# KiCad board PCB0150.kicad_pcb (continued)
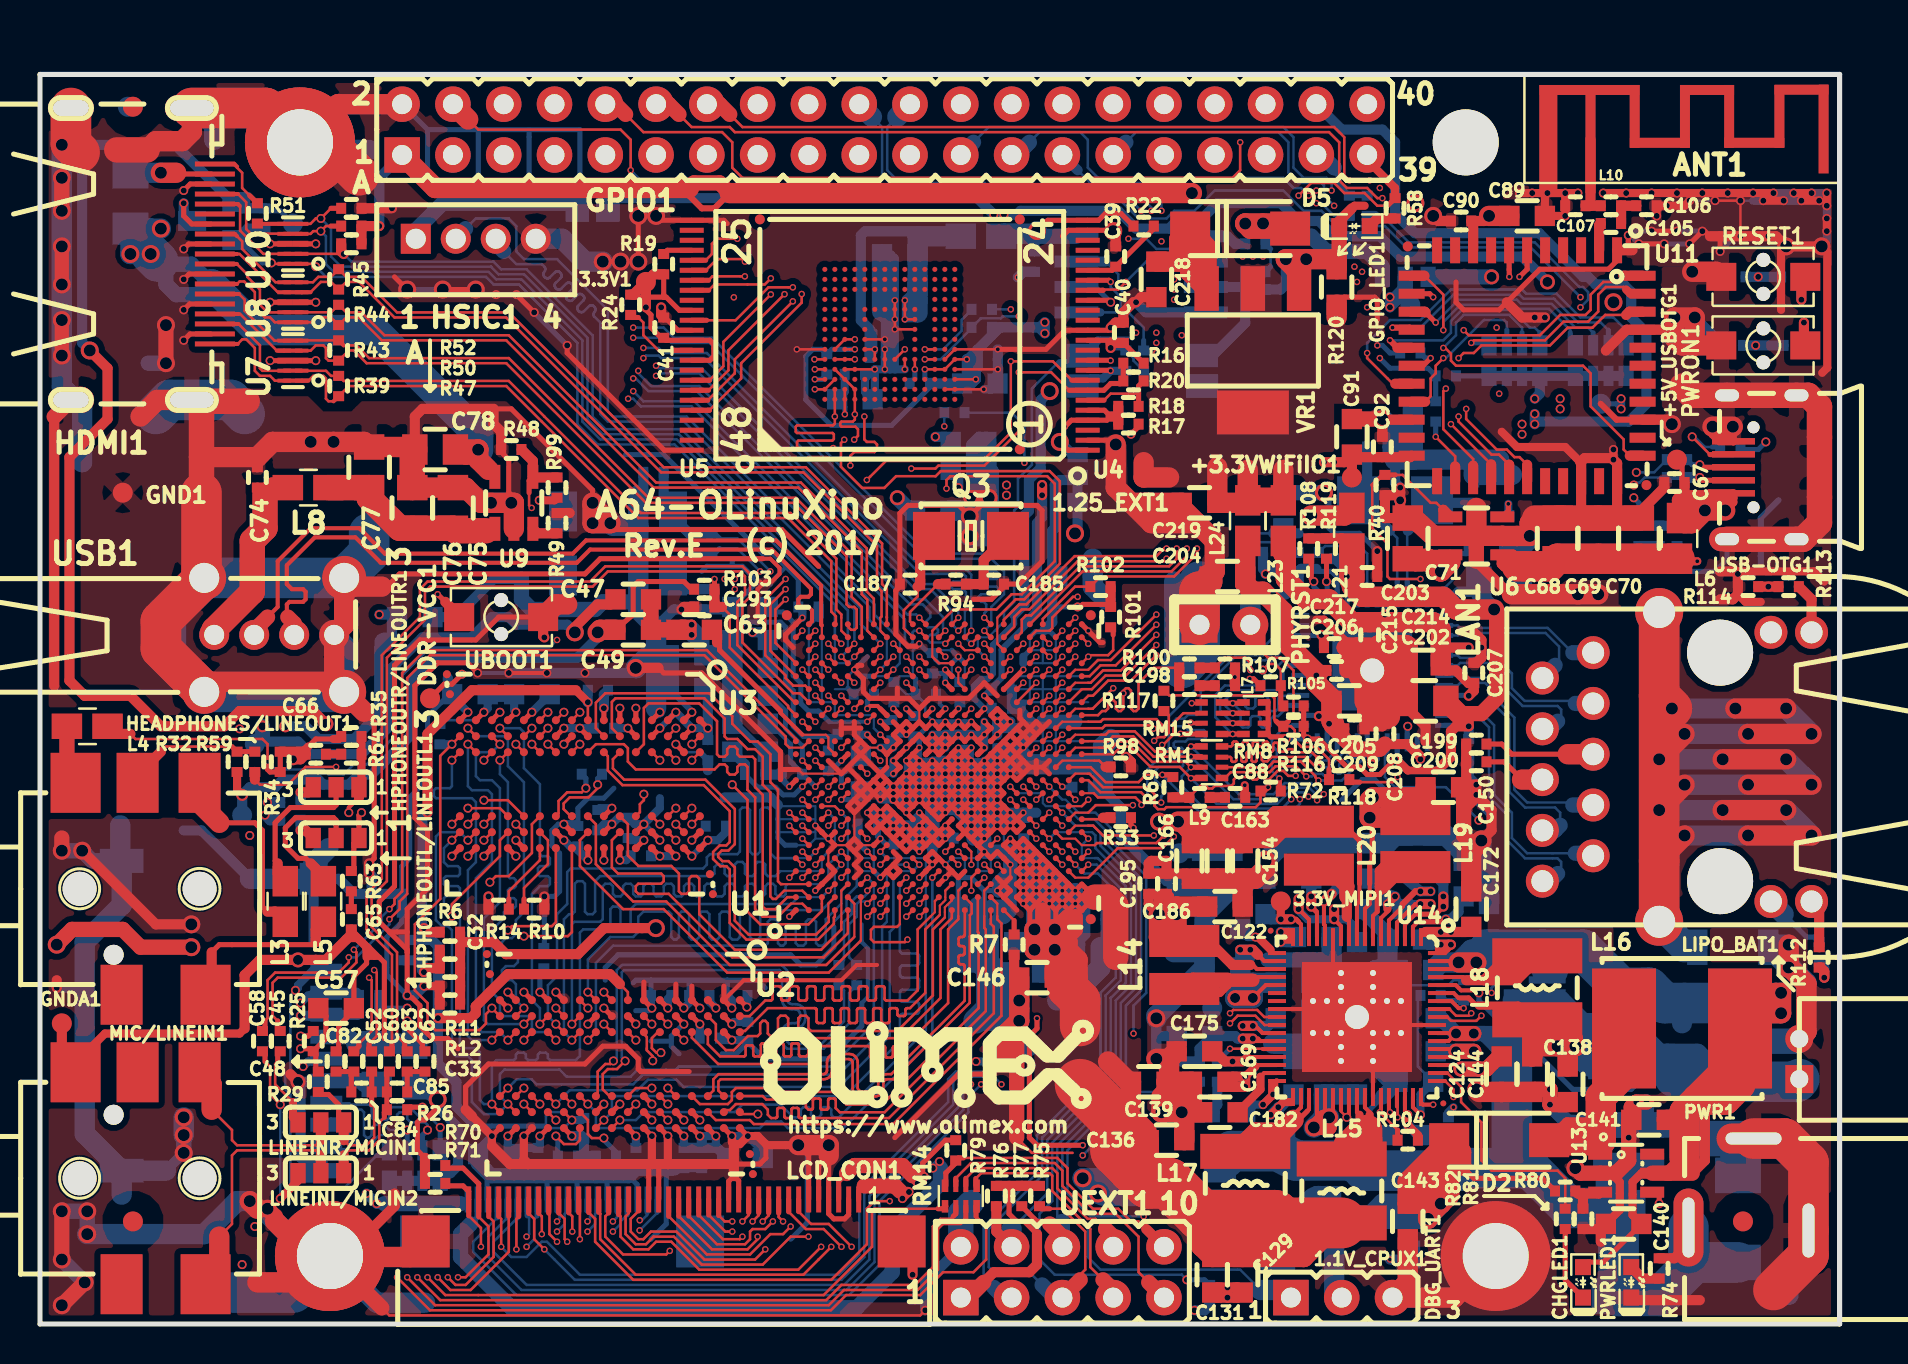
[diagram p0: board, top side]
## Routing (per net, layer and track width the routed paths; a pad name or vN(x,y) marks a point on that pad's centre or on a via; arc(x,y) is an arc through that point) (continued)
  Bottom w0.762: LAN1.7 76.66,25.96
/USB&HDMI,WiFi&BT,Ethernet,LCD/MDI[2]-: length 12.6
  Bottom w0.127: 76.02,24.94 76.02,25.58 75.77,25.83 74.27,25.83 73.48,26.62 73.48,30.22 72.47,31.24 72.47,31.88 72.28,32.06 71.02,32.06 70.9,31.94 U15.8
  Bottom w0.762: 76.02,24.94 75.77,24.69 LAN1.8
/USB&HDMI,WiFi&BT,Ethernet,LCD/MDI[3]+: length 13.3
  Bottom w0.127: U15.10 70.9,30.94 71.02,30.82 71.85,30.82 72.72,29.95 72.72,26.47 73.61,25.58 73.61,24.31 74.37,23.55 76.78,23.55
  Bottom w0.762: 76.78,23.55 77.55,23.55 LAN1.9
/USB&HDMI,WiFi&BT,Ethernet,LCD/MDI[3]-: length 13.3
  Bottom w0.127: 75.9,22.53 76.07,22.71 76.07,23.11 75.9,23.29 74.27,23.29 73.35,24.21 73.35,25.48 72.47,26.37 72.47,29.84 71.75,30.56 71.02,30.56 70.9,30.44 U15.11
  Bottom w0.762: 75.9,22.53 75.51,22.15 LAN1.10
/USB&HDMI,WiFi&BT,Ethernet,LCD/PH7/CTP-INT: length 50.3
  Top w0.127: U1.AC5 v4(52.43,23.62) ; 22.94,5.38 23.06,5.26 v4(23.06,3.86)
  Top w0.254: LCD_CON1.37 22.94,5.38
  In2.Cu w0.107: U1.AC5 52.1,22.61
  In2.Cu w0.127: v4(52.43,23.62) U1.AC5 ; v4(48.08,11.99) 48.21,11.99 49.86,13.64 50.5,13.64 51.26,14.4 51.26,16.69 52.53,17.96 52.53,22.18 52.1,22.61
  Bottom w0.127: v4(23.06,3.86) 23.57,3.35 24.33,3.35 25.09,4.11 25.35,4.11 27,2.46 39.95,2.46 40.97,3.48 40.97,6.65 45.41,11.1 45.41,12.24 45.8,12.62 47.45,12.62 v4(48.08,11.99)
/USB&HDMI,WiFi&BT,Ethernet,LCD/PH8/CTP-RST: length 62.6
  Top w0.127: v4(20.4,2.34) 20.78,1.96 21.28,1.96 22.68,3.35 22.68,5.13 22.44,5.37 ; U1.Y10 v4(49.82,26.22)
  Top w0.254: 22.44,5.37 LCD_CON1.38
  In2.Cu w0.107: 50.15,27.2 U1.Y10
  In2.Cu w0.127: 50.15,27.2 50.43,27.48 51.64,27.48 52.02,27.1 52.91,27.1 53.42,26.59 53.42,26.34 54.31,25.45 54.31,17.07 53.03,15.8 53.03,13.51 51.38,11.86 50.75,11.86 48.97,10.08 44.02,10.08 40.72,6.78 33.35,6.78 29.29,2.72 20.78,2.72 v4(20.4,2.34) ; v4(49.82,26.22) U1.Y10
/USB&HDMI,WiFi&BT,Ethernet,LCD/PHYAD0: length 2.4
  Top w0.508: 88.59,21.13 88.98,20.75 R112.1
/USB&HDMI,WiFi&BT,Ethernet,LCD/PHYAD1: length 2.5
  Top w0.508: R113.1 88.59,36.25 LAN1.12
/USB&HDMI,WiFi&BT,Ethernet,LCD/USB0-ID: length 58.3
  Top w0.127: v4(51.12,24.92) U1.AA8 ; v3(82.63,44.37) 83.51,43.48
  Top w0.254: 83.51,43.48 84.68,43.48 USB-OTG1.4
  In2.Cu w0.127: v3(82.63,44.37) 82.63,47.44 80.24,49.84 v4(72.85,49.84)
  In3.Cu w0.127: v4(51.12,24.92) 53.02,24.92 54.97,26.88 55.58,26.88 55.81,26.65 56.51,26.65 56.89,26.27 58.08,26.27 62.38,30.57 62.38,34.93 63.19,35.74 63.19,37.39 63.45,37.64 64.21,37.64 64.85,38.28 64.85,39.42 65.99,40.56 65.99,41.58 67.51,43.1 70.43,43.1 72.59,45.26 72.59,46.79 72.85,47.04 v4(72.85,49.84)
  Bottom w0.127: v3(82.63,44.37) 82.75,44.37 83.26,43.87 83.64,43.87
  Bottom w0.254: 83.64,43.87 83.9,43.87 R37.1
/USB&HDMI,WiFi&BT,Ethernet,LCD/USB0-VBUSDET: length 55.3
  Top w0.107: 51.78,22.33 52.43,22.33
  Top w0.127: v4(56.7,24.38) 56.12,23.8 53.9,23.8 52.43,22.33 ; U1.AB4 51.78,22.33
  In2.Cu w0.127: v4(72.97,46.53) 73.86,47.42 75.51,47.42 76.53,46.41 76.53,45.52 76.02,45.01 76.02,42.98 76.28,42.72 79.07,42.72 79.58,43.23 80.09,43.23 80.34,42.98 80.34,41.96 v3(79.71,41.33)
  In3.Cu w0.127: v4(72.97,46.53) 72.97,45.26 70.56,42.85 67.64,42.85 66.24,41.45 66.24,40.44 65.1,39.29 65.1,38.15 64.85,37.9 64.85,36.56 63.17,34.89 63.17,33.03 62.89,32.74 62.89,30.42 59.65,27.18 59.65,26.73 57.3,24.38 v4(56.7,24.38)
  Bottom w0.254: v3(79.71,41.33) 79.96,41.07 C72.2 79.93,39.93
  Bottom w0.508: C72.2 R42.2 R38.1
/USB&HDMI,WiFi&BT,Ethernet,LCD/USB1-DM: length 36.4
  Top w0.107: 39.1,34.94 U1.C22
  Top w0.203: 11.38,35.36 11.89,35.86 11.89,38.15 13.54,39.8 15.98,39.8 17.25,38.53 26.64,38.53 27.3,39.19 36.8,39.19 39.06,36.93 39.06,34.98 39.1,34.94
  Top w0.762: 11.38,35.36 10.71,34.69 USB1.2
/USB&HDMI,WiFi&BT,Ethernet,LCD/USB1-DP: length 36.4
  Top w0.203: 12.39,35.36 12.34,35.41 12.34,35.99 12.47,36.12 13.16,36.12 13.28,36.25 13.28,36.63 13.16,36.75 12.6,36.75 12.34,37.01 12.34,37.95 13.74,39.34 15.77,39.34 17.04,38.07 26.85,38.07 27.51,38.74 36.6,38.74 38.56,36.78 38.56,36.5 38.43,36.37 38.05,36.37 37.92,36.25 37.92,35.99 38.05,35.86 38.43,35.86 38.61,35.69 38.61,35.15 38.45,35 U1.B23
  Top w0.762: 12.39,35.36 12.71,35.04 USB1.3
/USB&HDMI,WiFi&BT,Ethernet,LCD/WL-PMU-EN: length 58.4
  Top w0.127: v4(70.18,49.71) 70.18,51.49 69.24,52.43 ; v4(37.29,36.75) 36.53,35.99 36.53,33.67 U1.A19
  Top w0.508: U11.12 69.24,52.43
  In2.Cu w0.127: v4(70.18,49.71) 69.04,49.71 67.26,47.93 55.32,47.93 54.43,47.04 51.64,47.04 51.16,47.52 49.97,47.52 48.55,46.1 43.42,46.1 40.83,43.51 40.17,43.51 38.9,42.24 38.9,38.37 v4(37.29,36.75)
  Bottom w0.127: v4(70.18,49.71) 70.18,50.11 71.04,50.98 73.74,50.98 73.94,50.77 75.46,50.77 76.53,49.71 76.53,49.58
  Bottom w0.254: 76.53,49.58 76.53,49.2 RM9.4.2
/USB&HDMI,WiFi&BT,Ethernet,LCD/WL-SDIO-CLK: length 30.8
  Top w0.127: U1.V21 v4(49.18,34.03)
  In2.Cu w0.127: v4(66.88,48.95) 58.12,48.95 57.99,48.82 56.08,48.82 v4(55.83,49.07)
  In3.Cu w0.127: v4(49.18,34.03) 49.18,37.21 50.11,38.15 50.11,40.44 50.88,41.2 50.88,42.6 51.9,43.62 51.9,44.63 55.47,48.2 55.47,48.71 v4(55.83,49.07)
  Bottom w0.254: v4(66.88,48.95) 67.13,48.95 67.51,48.56 R54.2
/USB&HDMI,WiFi&BT,Ethernet,LCD/WL-SDIO-CMD: length 42.9
  Top w0.127: v4(48.53,33.38) U1.U20
  Top w0.305: 67.88,48.83 v4(67.51,49.2)
  Top w0.508: U11.16 67.88,48.83
  In2.Cu w0.127: v4(67.51,49.2) 67.26,49.45 57.73,49.45 57.61,49.33 57.61,49.2 57.48,49.07 56.72,49.07 56.59,49.2 56.59,49.45 56.46,49.58 v4(55.83,49.58)
  In3.Cu w0.127: v4(55.83,49.58) 55.23,48.99 55.23,48.35 51.64,44.76 51.64,43.74 50.62,42.72 50.62,41.33 49.86,40.56 49.86,38.28 48.84,37.26 48.84,34.34 48.53,34.02 v4(48.53,33.38)
  Bottom w0.127: 75.01,49.58 74.75,49.84 74.5,49.84 73.61,50.72 71.12,50.72 70.56,50.17 70.56,49.58 70.18,49.2 v4(67.51,49.2)
  Bottom w0.254: RM12.1.2 75.01,49.58
/USB&HDMI,WiFi&BT,Ethernet,LCD/WL-SDIO-D0: length 49
  Top w0.127: 67.78,47.03 67.65,47.03 66.37,48.31 v4(66.37,48.56) ; U1.U19 v4(48.53,32.72)
  Top w0.508: U11.18 67.78,47.03
  In2.Cu w0.127: v4(66.37,48.56) v4(55.83,48.56)
  In3.Cu w0.107: 49.5,33.7 49.5,34.21
  In3.Cu w0.127: v4(55.83,48.56) 55.83,48.18 52.15,44.51 52.15,43.49 51.13,42.47 51.13,41.07 50.37,40.31 50.37,38.02 49.5,37.16 49.5,34.21 ; v4(48.53,32.72) 49.5,33.7
  Bottom w0.127: v4(66.37,48.56) 66.37,49.07 67.51,50.22 69.04,50.22 70.56,51.74 74.12,51.74 74.32,51.54 75.84,51.54 77.04,50.34 78.69,50.34 79.32,49.71
  Bottom w0.254: RM9.1.2 79.32,49.71
/USB&HDMI,WiFi&BT,Ethernet,LCD/WL-SDIO-D1: length 38.1
  Top w0.127: v4(56.84,38.79) 56.84,38.28 56.46,37.9 52.02,37.9 49.56,35.44 49.31,35.44 49.1,35.23 49.1,34.6 U1.V22 ; v4(70.18,48.31) 69.8,47.93 69.8,47.55 69.54,47.3 69.54,46.41 69.27,46.13
  Top w0.508: U11.19 69.27,46.13
  In3.Cu w0.127: v4(70.18,48.31) 69.67,47.8 65.35,47.8 58.5,40.95 58.5,38.53 58.12,38.15 57.48,38.15 v4(56.84,38.79)
  Bottom w0.127: v4(70.18,48.31) 70.31,48.31 72.21,50.22 73.23,50.22 73.35,50.09 73.35,49.71
  Bottom w0.254: RM12.3.2 73.35,49.71
/USB&HDMI,WiFi&BT,Ethernet,LCD/WL-SDIO-D2: length 43.6
  Top w0.127: U1.Y21 v4(50.47,33.38)
  Top w0.254: 69.29,50.6 v4(69.8,50.09)
  Top w0.508: 69.29,50.6 69.26,50.63 U11.14
  In2.Cu w0.127: v4(69.8,50.09) 69.64,50.25 67.51,50.25 66.97,49.71 57.35,49.71 v4(57.1,49.45)
  In3.Cu w0.107: 50.8,33.7 50.8,34.67 50.62,34.85
  In3.Cu w0.127: 50.62,34.85 50.62,36.75 51.38,37.52 51.38,38.02 52.4,39.04 52.4,41.2 56.97,45.77 56.97,49.33 v4(57.1,49.45) ; v4(50.47,33.38) 50.8,33.7
  Bottom w0.127: v4(69.8,50.09) 70.94,51.23 73.86,51.23 74.07,51.03 75.59,51.03 76.78,49.84 77.42,49.84 77.67,49.58
  Bottom w0.254: RM9.3.2 77.67,49.58
/USB&HDMI,WiFi&BT,Ethernet,LCD/WL-SDIO-D3: length 45.5
  Top w0.127: v4(57.35,38.79) 57.35,38.41 56.59,37.64 52.14,37.64 U1.W23
  Top w0.305: v4(67.64,49.84) 68.49,49.84 U11.15
  In3.Cu w0.127: v4(67.64,49.84) 68.91,49.84 69.04,49.96 69.04,51.23 68.91,51.36 68.28,51.36 68.15,51.23 68.15,50.47 68.02,50.34 67.51,50.34 58.24,41.07 58.24,38.66 57.99,38.41 57.73,38.41 v4(57.35,38.79)
  Bottom w0.127: v4(67.64,49.84) 69.04,49.84 70.69,51.49 73.99,51.49 74.19,51.28 75.72,51.28 76.91,50.09 78.05,50.09 78.44,49.71
  Bottom w0.254: RM9.2.2 78.44,49.71
/USB&HDMI,WiFi&BT,Ethernet,LCD/WL-WAKE-AP: length 70.4
  Top w0.127: U1.E19 v4(40.72,32.08)
  Top w0.254: U11.13 69.5,51.53 v4(69.67,51.36)
  In2.Cu w0.127: v4(69.67,51.36) 69.67,52.25 69.16,52.76 67.77,52.76 66.12,51.1 56.84,51.1 v4(56.72,51.23)
  In3.Cu w0.127: v4(40.72,32.08) 40.96,32.08 41.38,32.49 41.38,34.47 41.1,34.75 41.1,39.98 35.13,45.95 35.13,49.25 34.37,50.01 34.37,55.04 34.62,55.3 46.91,55.3 47.67,56.06 56.34,56.06 56.46,55.93 56.46,53.9 56.08,53.52 56.08,52.78 56.08,51.99 56.34,51.74 56.34,51.61 v4(56.72,51.23)
/VREF0_DDR3: length 60.1
  Top w0.127: 29,17 29.4,16.6 U2.H1 ; U2.M8 v3(26.6,10.2) ; U3.M8 v3(23.8,25) ; U3.H1 v3(27.4,31.1)
  Top w0.406: v3(27.4,31.1) 26.8,31.7
  Top w0.508: v3(19.9,15.3) 21.55,15.3 21.79,15.55 21.79,15.89 23.4,17.5 28.5,17.5 29,17 ; v3(19.2,19.8) 19.4,19.6 R6.1 ; 26.8,31.7 21.6,31.7 19.38,29.52 v3(19.38,25.58)
  In3.Cu w0.508: v3(23.8,25) 23.8,25.73 22.56,26.97 20.78,26.97 v3(19.38,25.58)
  Bottom w0.127: U2.M8 25.5,10.6 25.3,10.4 25.3,9.9 25.4,9.8 26.2,9.8 v3(26.6,10.2) U2.M8
  Bottom w0.254: 25.3,9.9 21.8,9.9
  Bottom w0.406: v3(26.6,10.2) 27.09,10.2 C24.1
  Bottom w0.508: 21.8,9.9 20.83,10.87 20.83,12.1 19.9,13.03 v3(19.9,15.3) 19.9,18.9 19.59,19.21 C11.2 ; C25.1 27.39,31.11 v3(27.4,31.1) ; v3(19.38,25.58) 19.13,25.32 19.13,22.02 19.11,22 C23.1 R8.2 19.11,19.89 v3(19.2,19.8) 19.1,19.7 C11.2 ; C11.2 R5.1
AP-CK32KO: length 48.5
  Top w0.127: U1.B18 38.27,31.93 37.67,31.93 37.29,32.31 37.29,32.44 36.27,33.45 36.27,36.25 v4(37.29,37.26)
  In2.Cu w0.127: v4(67,48.31) 66.77,48.31 66.65,48.18 55.07,48.18 54.18,47.3 51.76,47.3 51.31,47.75 49.85,47.75 48.45,46.35 43.34,46.35 40.73,43.74 40.07,43.74 38.47,42.14 38.47,38.45 v4(37.29,37.26)
  Bottom w0.254: R60.2 69.8,47.42 69.42,47.8 67.51,47.8 v4(67,48.31)
AP-NMI#: length 177
  Top w0.127: 70.48,15.75 70.81,15.42 71.45,15.42 v4(71.58,15.55) ; U1.G18 v4(42.03,32.08)
  Top w0.203: U14.61 70.48,15.75
  In2.Cu w0.127: v3(10.74,4.88) 10.52,5.1 7.85,5.1 2.62,10.34 2.62,18.85 4.01,20.24 4.01,24.31 1.98,26.34 1.98,41.45 4.39,43.87 12.14,43.87 13.16,44.88 15.06,44.88 17.73,47.55 24.21,47.55 28.01,51.35 v4(34.7,51.35)
  In3.Cu w0.107: 41.7,32.4 41.7,34.35
  In3.Cu w0.127: v4(42.03,32.08) 41.7,32.4 ; v3(10.74,4.88) 11.25,4.37 11.25,3.23 13.28,1.19 41.73,1.19 45.54,5 55.57,5 57.23,6.66 65.99,6.66 68.02,8.69 68.53,8.69 v4(70.69,10.85) 70.18,11.35 70.18,14.78 70.69,15.29 71.32,15.29 v4(71.58,15.55) ; v4(34.7,51.35) 34.68,51.33 34.68,50.03 35.38,49.33 35.38,46.02 41.48,39.93 41.48,34.82 41.7,34.59 41.7,34.35
  Bottom w0.406: v4(70.69,10.85) 70.43,10.59 R85.1
AP-RESET#: length 162.9
  Top w0.127: 65.99,27.1 67.64,27.1 v4(67.89,27.36) ; v4(29.54,57.71) 29.54,59.23 29.03,59.74 21.92,59.74 21.41,60.25 ; v4(67,10.59) 67.89,9.7 ; U1.E17 v4(40.07,31.42)
  Top w0.203: v4(67,10.59) 67.06,10.65 U14.46
  Top w0.254: 65.99,27.1 65.61,27.1 65.48,27.23 ; R104.2 67.89,9.7
  Top w1.016: GPIO1.4 21.41,60.25
  In2.Cu w0.127: v3(85.93,52.38) 85.42,51.87 81.86,51.87 80.34,50.34 78.05,50.34 v4(77.04,51.36)
  In3.Cu w0.107: 39.75,31.75 38.48,31.75
  In3.Cu w0.127: v4(40.07,31.42) 39.75,31.75 ; v4(67,10.59) 67.39,10.97 67.89,10.97 68.15,11.23 69.29,11.23 69.93,11.86 69.93,17.45 66.62,20.75 66.62,21.51 67.64,22.53 67.64,26.72 67.89,26.97 v4(67.89,27.36) 67.51,27.36 67.08,27.79 67.08,28.37 66.88,28.58 66.88,30.78 67.77,31.67 67.77,38.02 70.18,40.44 71.07,40.44 73.1,42.47 73.74,42.47 76.53,45.26 76.53,48.18 76.66,48.31 76.66,50.98 v4(77.04,51.36) ; 38.48,31.75 37.72,31.75 36.4,33.07 36.4,35.1 35.64,35.86 35.64,37.39 35.38,37.64 35.38,42.72 32.84,45.26 32.84,48.18 32.08,48.95 32.08,56.06 30.81,57.33 29.92,57.33 v4(29.54,57.71)
  Bottom w0.127: v4(77.04,51.36) 74.55,53.85 68.33,53.85 67.26,54.91 64.85,54.91 64.08,55.68 63.19,55.68 62.18,56.69 58.75,56.69 57.73,55.68 56.72,55.68 56.34,55.3 54.94,55.3 53.92,56.31 47.68,56.31 47.17,56.82 30.43,56.82 v4(29.54,57.71)
  Bottom w0.508: R89.2 v3(85.93,52.38) C156.2
IPS: length 140.7
  Top w0.203: 67.39,20.75 67.39,20.62 67.06,20.3 U14.6 ; v3(62.94,20.75) 63.46,20.23 U14.15 ; v3(64.72,20.24) 65.06,19.9 U14.11 ; 60.78,12.88 60.86,12.95 U14.32 ; v1(60.66,16.31) 61.3,16.95 U14.22 ; v2(63.7,9.83) 63.86,9.99 U14.38 ; 60.91,18.47 61.22,18.15 U14.19 ; v3(69.04,21.01) 68.78,21.01 67.86,20.08 U14.4 ; U14.40 64.66,10.53 v2(64.47,10.34) 64.26,10.54 U14.39 ; U14.66 70.61,17.75 v2(70.94,18.08) 70.87,18.15 U14.67 ; U14.55 70.53,13.35 v1(70.81,13.64) 70.7,13.75 U14.56
  Top w0.254: CHGLED1.2 77.42,3.1 78.18,3.1 C140.2
  Top w0.406: 60.78,12.88 v3(60.27,12.37) ; C140.2 79.64,5.45 79.64,7.1 80.09,7.54 U13.5 ; v3(67.77,21.39) v3(67.39,21.01) 67.39,20.75
  Top w0.508: 60.91,18.47 60.66,18.72 v3(60.53,18.72) v3(60.02,18.72) ; 82.63,7.54 83.26,8.18 83.26,11.23 ; v3(69.04,21.01) v3(69.54,21.01) ; v3(62.94,20.75) v3(62.94,21.26) ; v3(64.72,20.24) v3(64.72,20.75) ; 59.64,11.86 v3(60.27,11.86) v3(60.27,12.37) 59.64,12.37 59.38,12.12 59.64,11.86
  Top w0.762: 81.48,7.54 82.25,8.31 ; 81.48,7.54 82.63,7.54 ; 81.48,7.54 U13.5 ; v1(60.66,16.31) v1(59.77,16.31) ; v1(70.81,13.64) v1(71.7,13.64) ; 64.21,10.34 v2(64.47,10.34) 64.47,9.83 v2(63.7,9.83) 64.21,10.34
  Top w1.016: 82.25,10.34 82.12,10.21 C141.2 ; v2(70.94,18.08) v2(71.83,18.08) ; 85.78,15.55 v2(87.07,15.55) v2(87.07,16.56) 86.8,16.56 L16.1 85.78,15.55
  Top w1.524: 82.88,11.23 82.25,10.59 82.25,8.31 ; 82.88,11.23 85.02,13.36 L16.1 85.02,11.97 84.28,11.23 82.88,11.23
  In4.Cu w0.406: 63.6,20 62.94,20.66 v3(62.94,20.75)
  In4.Cu w0.508: 62.31,12.88 60.78,12.88 v3(60.27,12.37) v3(60.27,11.86) ; 62.31,18.21 61.04,18.21 v3(60.53,18.72) v3(60.02,18.72) ; 67.39,19.99 v3(67.39,21.01) v3(67.77,21.39) ; 69.04,19.99 v3(69.04,21.01) v3(69.54,21.01) ; v3(64.72,20.75) v3(64.72,20.24) 64.72,19.36 ; v3(62.94,20.75) v3(62.94,21.26)
  In4.Cu w0.762: v1(59.77,16.31) v1(60.66,16.31) 62.31,16.31 ; v1(71.7,13.64) v1(70.81,13.64) 69.04,13.64
  In4.Cu w1.016: v2(63.7,9.83) 63.96,9.83 v2(64.47,10.34) 64.47,11.86 ; v2(71.83,18.08) v2(70.94,18.08) 70.37,17.51
  In4.Cu w2.032: 70.37,17.51 69.74,16.88
  Bottom w0.254: 82.25,16.05 82.25,15.8 82.25,15.93 82.12,16.05 IPS1.1
  Bottom w0.356: 75.13,17.21 T1.4 75.9,17.25 75.9,17.58 ; 75.13,17.21 75.13,17.58 ; 75.13,17.21 T1.8
  Bottom w0.406: C167.2 68.4,21.01 v3(69.04,21.01) v3(69.54,21.01) ; v3(64.72,20.24) 63.39,20.24 62.94,20.69 v3(62.94,20.75) ; v3(64.72,20.24) 65.35,20.24 65.61,19.99 65.61,19.36 C157.2 ; v3(64.72,20.24) v3(64.72,20.75)
  Bottom w0.508: 67.89,21.01 v3(67.77,21.39) 67.39,21.51 ; 67.89,21.01 v3(67.39,21.01) 67.39,21.51 ; 67.89,21.01 C167.2 67.89,21.01 ; 67.39,21.51 C153.2 ; v3(62.94,21.26) v3(62.94,20.75) ; 60.53,18.34 C159.2 v3(60.02,18.72) v3(60.53,18.72) 60.53,18.34
  Bottom w0.762: C128.1 v1(70.81,13.64) v1(71.7,13.64)
  Bottom w1.016: 72.47,18.72 71.58,18.72 v2(70.94,18.08) ; 72.47,18.72 C147.1 ; 72.47,18.72 C147.1 ; 72.47,18.72 C147.1 ; 72.47,18.72 v2(71.83,18.08) v2(70.94,18.08) ; 75.13,17.58 75.13,18.72 ; 75.13,18.72 75.13,18.59 75.13,18.72 ; 75.13,18.72 75.9,17.96 75.9,17.58 ; 64.21,10.34 v2(64.47,10.34) ; 64.21,10.34 64.21,11.48 65.86,11.48 ; 64.21,10.34 v2(63.7,9.83) ; v2(70.94,18.08) 70.05,18.08 C176.2 ; C126.2 60.66,17.07 v1(60.66,16.31) v1(59.77,16.31) 60.02,16.56 C159.2 ; v2(87.07,15.55) v2(87.07,16.56) 85.67,16.56 85.67,15.55 v2(87.07,15.55)
  Bottom w2.032: 72.47,18.72 77.16,18.72 79.07,16.81 80.47,16.81 ; 80.47,16.81 80.21,16.81 ; 80.47,16.81 81.23,16.05 85.8,16.05
KEYADC: length 41.3
  Top w0.127: U1.A16 37.41,30.84 37.41,30.91 34.49,33.83 34.49,35.48 34.11,35.86
  Top w0.254: R103.2 v4(33.73,37.26)
  Top w0.508: C193.2 34.11,35.86 ; C193.2 33.73,36.12 ; C193.2 R103.2
  In3.Cu w0.127: 24.84,60.12 24.59,59.87 24.59,57.71 25.22,57.07 30.68,57.07 31.83,55.93 31.83,48.82 32.59,48.06 32.59,45.18 35.13,42.64 35.13,38.66 v4(33.73,37.26)
  In3.Cu w0.406: 24.84,60.12 GPIO1.8
PC4: length 45.9
  Top w0.127: U1.T20 v4(47.22,33.38)
  In3.Cu w0.127: v4(54.81,49.58) 55.32,50.09 55.32,51.23 55.07,51.49 55.07,53.24 55.07,53.24 v4(55.07,55.68)
  Bottom w0.107: 46.9,33.7 46.9,34.22 47.03,34.35 47.42,34.35 47.75,34.67
  Bottom w0.127: 52.91,49.2 53.03,49.33 54.56,49.33 v4(54.81,49.58) ; 41.6,60.38 42.11,59.87 42.11,57.45 42.49,57.07 47.24,57.07 47.75,56.57 54.18,56.57 v4(55.07,55.68) ; 47.75,34.67 48.21,35.14 48.21,35.61 48.72,36.12 48.72,40.69 48.91,40.88 48.91,42.28 49.61,42.98 49.61,46.79 50.88,48.06 51,48.06 ; v4(47.22,33.38) 46.9,33.7
  Bottom w0.406: 51,48.06 51.76,48.06 NAND_E1.1 52.91,49.2
  Bottom w1.016: GPIO1.20 41.6,60.38
PC7: length 50.8
  Top w0.127: U1.T19 v4(47.22,32.72)
  Top w0.254: U4.5 53.23,45.7 53.54,45.39 53.36,45.2 U4.4 51.58,45.2 v4(51.26,44.88)
  Top w0.508: 53.92,45.39 R18.2 ; 53.92,45.39 R17.1 ; 53.92,45.39 53.54,45.39
  In3.Cu w0.107: 48.2,33.7 48.2,33.71 48.2,33.05
  In3.Cu w0.127: v4(47.22,32.72) 47.88,32.72 48.2,33.05 ; 48.2,33.71 48.2,34.08 48.59,34.47 48.59,37.39 49.61,38.41 49.61,42.22 50.24,42.85 50.24,44.37 50.75,44.88 v4(51.26,44.88) 51.36,44.88 55,48.52 55,49.13 55.32,49.45 55.32,49.71 55.57,49.96 55.57,51.36 55.32,51.61 55.32,53.14 55.32,53.14 55.32,55.42 v4(55.57,55.68)
  Bottom w0.127: 42.88,60.38 42.37,59.87 42.37,57.71 42.75,57.33 47.32,57.33 47.83,56.82 54.6,56.82 55.57,55.85 v4(55.57,55.68)
  Bottom w1.016: GPIO1.22 42.88,60.38
PH10: length 50.6
  Top w0.127: 24.94,5.54 25.09,5.39 v4(25.09,4.5) ; v4(50.47,25.58) U1.Y8
  Top w0.254: LCD_CON1.33 24.94,5.54
  In2.Cu w0.107: 52.7,26.55 51.45,26.55
  In2.Cu w0.127: v4(50.47,25.58) 51.45,26.55 ; v4(25.09,4.5) 25.09,4.37 25.73,3.73 29.54,3.73 33.1,7.29 40.46,7.29 43.76,10.59 48.72,10.59 50.5,12.37 51.13,12.37 52.53,13.77 52.53,16.05 53.8,17.32 53.8,22.13 53.8,25.2 52.91,26.09 52.91,26.34 52.7,26.55
PH11: length 47.1
  Top w0.127: 24.44,5.53 24.71,5.26 24.71,4.24 v4(25.22,3.73) ; U1.AA5 v4(51.12,22.97)
  Top w0.254: 24.44,5.53 LCD_CON1.34
  In2.Cu w0.127: v4(51.12,22.97) 52.27,21.83 52.27,18.08 51,16.81 51,14.53 50.37,13.89 49.73,13.89 48.21,12.37 47.96,12.37 v4(47.57,11.99)
  Bottom w0.127: v4(25.22,3.73) 26.75,2.21 40.08,2.21 41.22,3.35 41.22,6.53 45.67,10.97 45.67,12.12 45.92,12.37 47.19,12.37 v4(47.57,11.99)
PL7: length 44.5
  Top w0.127: U1.C19 v4(38.78,32.72)
  In3.Cu w0.107: 38.45,33.05 38.45,33.7 ; 37.8,34.35 37.8,34.88 37.93,35 38.29,35 38.51,35.22 38.51,35.59
  In3.Cu w0.127: 38.51,35.59 38.51,39.93 33.1,45.34 33.1,48.31 32.33,49.07 32.33,56.04 33.63,57.33 44.15,57.33 44.65,57.84 44.65,59.23 45.03,59.61 45.03,60.38 ; v4(38.78,32.72) 38.45,33.05 ; 38.45,33.7 37.8,34.35
  In3.Cu w1.016: 45.16,60.5 45.03,60.38 45.67,61.01 GPIO1.24
PL8: length 44.1
  Top w0.127: v4(38.78,34.03) U1.B21
  In3.Cu w0.107: 38.45,34.35 38.45,34.83 38.78,35.16
  In3.Cu w0.127: v4(38.78,34.03) 38.45,34.35 ; 47.7,60.5 46.94,59.74 45.54,59.74 44.91,59.11 44.91,57.71 44.27,57.07 33.75,57.07 32.59,55.91 32.59,49.2 33.35,48.44 33.35,45.41 38.78,39.99 38.78,35.16
  In3.Cu w1.016: 47.7,60.5 48.21,61.01 GPIO1.26
PL9: length 46.9
  Top w0.127: v4(39.43,33.38) U1.D20
  In3.Cu w0.107: 39.1,33.7 39.1,35
  In3.Cu w0.127: v4(39.43,33.38) 39.1,33.7 ; 39.1,35 39.1,39.99 33.6,45.49 33.6,48.57 32.84,49.33 32.84,55.78 33.88,56.82 46.3,56.82 47.32,57.84 47.32,59.23 47.83,59.74 49.48,59.74 49.99,60.25
  In3.Cu w0.762: 49.99,60.25 50.75,61.01 GPIO1.28
PL10: length 48.2
  Top w0.127: v4(39.43,34.03) U1.D21
  In3.Cu w0.127: 52.78,60.5 52.02,59.74 50.62,59.74 49.86,58.98 49.86,57.84 49.35,57.33 47.19,57.33 46.43,56.57 33.99,56.57 33.1,55.68 33.1,49.45 33.86,48.69 33.86,45.57 39.43,40 v4(39.43,34.03)
  In3.Cu w0.762: 52.78,60.5 53.29,61.01 GPIO1.30
PL11: length 52
  Top w0.127: v4(39.43,32.72) U1.C20
  In3.Cu w0.107: 39.75,34.35 39.75,33.05
  In3.Cu w0.127: 39.75,33.05 v4(39.43,32.72) ; 55.19,60.5 54.43,59.74 52.91,59.74 52.4,59.23 52.4,57.84 51.64,57.07 47.32,57.07 46.56,56.31 34.11,56.31 33.35,55.55 33.35,49.58 34.11,48.82 34.11,45.64 39.75,40 39.75,34.34
  In3.Cu w0.762: 55.19,60.5 55.7,61.01 GPIO1.32
PL12: length 52.7
  Top w0.127: U1.D22 v4(40.07,34.03)
  In3.Cu w0.127: v4(40.07,34.03) 40.07,40.01 34.37,45.72 34.37,48.95 33.6,49.71 33.6,55.42 34.24,56.06 46.68,56.06 47.44,56.82 53.92,56.82 54.94,57.84 54.94,59.11 55.57,59.74 56.97,59.74 57.73,60.5
  In3.Cu w0.762: 57.73,60.5 58.24,61.01 GPIO1.34
PMU-SCK: length 134.8
  Top w0.127: U1.D17 v4(39.43,31.42)
  Top w0.203: v4(67.51,10.59) 67.46,10.64 U14.47
  In2.Cu w0.127: v3(10.49,24.44) 10.49,25.32 9.6,26.21 9.6,26.72 10.11,27.23 10.11,29.01 10.49,29.39 10.49,30.02 13.54,33.07 15.7,33.07 19.63,37.01 20.02,37.01 21.79,38.79 24.97,38.79 25.6,38.15 32.33,38.15 33.6,36.88 34.37,36.88 v4(34.75,37.26)
  In3.Cu w0.107: 38.45,31.1 39.1,31.1
  In3.Cu w0.127: v4(34.75,37.26) 35.13,36.88 35.13,34.34 35.89,33.58 35.89,32.82 37.61,31.1 38.45,31.1 ; v4(39.43,31.42) 39.1,31.1 ; v3(10.49,24.44) 10.74,24.18 10.74,9.58 13.16,7.16 16.33,7.16 17.47,6.02 17.47,2.08 17.6,1.96 41.35,1.96 45.29,5.89 48.97,5.89 51.51,8.43 v4(52.15,8.43) 52.65,7.92 65.1,7.92 67.51,10.34 v4(67.51,10.59)
  Bottom w0.127: R88.1 57.96,12.12 57.2,11.35 54.43,11.35 52.53,9.45 52.53,8.81 v4(52.15,8.43)
PMU-SDA: length 151.9
  Top w0.127: 67.86,10.88 67.89,10.85 v4(67.89,10.34) ; U1.C17 v4(38.78,31.42)
  Top w0.203: 67.86,10.88 67.86,11.48
  In2.Cu w0.127: v4(55.19,5.39) 55.07,5.26 55.07,2.99 54.54,2.46 44.78,2.46 44.02,1.7 43.26,1.7 42.49,2.46 30.3,2.46 29.54,1.7 17.6,1.7 16.46,0.56 11,0.56 10.49,1.07 10.49,2.59 v3(10.11,2.97) ; v3(9.98,29.77) 9.98,29.9 13.41,33.33 15.57,33.33 19.63,37.39 20.02,37.39 21.67,39.04 25.09,39.04 25.73,38.41 33.1,38.41 v4(34.24,37.26)
  In3.Cu w0.127: v3(10.11,2.97) 10.11,3.61 9.09,4.62 9.09,22.66 7.95,23.8 7.95,27.61 9.98,29.64 v3(9.98,29.77) ; v4(67.89,10.34) 67.89,10.59 68.28,10.97 69.16,10.97 69.54,10.59 69.54,10.21 68.28,8.94 67.77,8.94 65.74,6.91 56.72,6.91 v4(55.19,5.39) ; v4(34.24,37.26) 34.62,37.64 35,37.64 35.38,37.26 35.38,35.74 36.14,34.98 36.14,32.94 37.66,31.42 v4(38.78,31.42)
  Bottom w0.127: R90.1 56.59,11.61 54.31,11.61 51.38,8.69 51.38,6.53 52.53,5.39 v4(55.19,5.39)
SPI0_CLK: length 170.5
  Top w0.127: v4(46.57,33.38) U1.P20 ; 45.67,5.39 45.54,5.26 45.03,5.26 44.65,4.88 44.65,2.84 43.76,1.96 40.08,1.96 39.32,1.19 20.02,1.19 v4(18.87,2.34)
  Top w0.254: v3(53.54,51.1) 53.44,51.2 U4.16 ; 45.67,5.39 45.8,5.52 RM14.3.2
  In2.Cu w0.127: v4(18.87,2.34) 18.24,2.97 17.6,2.97 15.95,1.32 11.76,1.32 11.25,1.83 11.25,3.35 10.11,4.5 7.44,4.5 2.11,9.83 2.11,19.23 3.5,20.62 3.5,24.05 1.47,26.09 1.47,41.83 4.01,44.37 11.76,44.37 12.78,45.39 14.81,45.39 17.47,48.06 23.95,48.06 27.76,51.87 33.48,51.87 34.62,53.01 34.62,53.52 34.87,53.77 35.13,53.77 35.89,54.53 45.86,54.53 47.7,52.69 51.96,52.69 v3(53.54,51.1)
  In3.Cu w0.107: 47.55,34.35 47.55,33.83 47.43,33.7 46.9,33.7
  In3.Cu w0.127: v3(53.54,51.1) 51.76,49.33 51.76,46.41 51.13,45.77 50.5,45.77 48.84,44.12 48.84,42.6 49.1,42.34 49.1,38.66 48.08,37.64 48.08,34.87 47.55,34.34 ; v4(46.57,33.38) 46.9,33.7
  Bottom w0.254: U12.6 52.78,51.87 v3(53.54,51.1)
SPI0_CS: length 179.1
  Top w0.127: v4(19.38,2.34) 20.27,1.45 39.19,1.45 41.6,3.86 41.6,5.64 41.73,5.77 44.91,5.77 ; U1.P19 v4(46.57,32.72)
  Top w0.254: v4(53.54,48.18) 53.52,48.2 U4.10 ; 45.3,5.89 45.18,5.77 44.91,5.77
  In2.Cu w0.127: v4(19.38,2.34) 18.36,3.35 17.6,3.35 15.32,5.64 12.52,5.64 11.25,4.37 10.62,4.37 10.24,4.75 7.7,4.75 2.36,10.08 2.36,18.97 3.76,20.37 3.76,24.18 1.73,26.21 1.73,41.71 4.14,44.12 11.89,44.12 12.9,45.14 14.94,45.14 17.6,47.8 24.08,47.8 27.89,51.61 33.6,51.61 34.87,52.88 34.87,53.39 35,53.52 35.25,53.52 36.03,54.3 45.76,54.3 48.07,51.99 49.55,51.99 49.8,51.74 49.8,48.7 50.32,48.18 v4(53.54,48.18)
  In3.Cu w0.107: 46.9,33.05 47.55,33.05
  In3.Cu w0.127: v4(46.57,32.72) 46.9,33.05 ; 47.55,33.05 47.88,33.38 47.88,34.13 48.34,34.59 48.34,37.52 49.35,38.53 49.35,42.34 49.99,42.98 49.99,44.5 50.75,45.26 51.38,45.26 53.16,47.04 53.16,47.8 v4(53.54,48.18) 54.05,48.69 54.05,50.6 54.31,50.85 54.31,51.49 54.81,51.99 54.81,53.9 v4(54.43,54.28)
  Bottom w0.127: v4(54.43,54.28) 55.32,54.28 55.83,53.77 56.46,53.77 57.1,54.41
  Bottom w0.508: R53.1 59.77,54.03 59.38,54.41 U12.1 57.1,54.41
SPI0_MISO: length 191.9
  Top w0.127: 46.81,5.39 47.32,4.88 47.32,3.23 46.69,2.59 45.16,2.59 44.02,1.45 40.31,1.45 39.55,0.69 19.51,0.69 v4(17.86,2.34) ; U1.K18 v4(43.32,32.08) ; v4(54.31,52.12) 53.92,51.74 53.2,51.74 53.16,51.7
  Top w0.254: 53.13,51.7 53.16,51.7 U4.17 ; 46.81,5.39 46.81,5.88 46.8,5.89
  In2.Cu w0.107: 44.15,35.99 44.3,35.84 44.3,32.56
  In2.Cu w0.127: v4(43.32,32.08) 43.66,32.08 43.92,32.33 44.15,32.33 44.3,32.49 44.3,32.56 ; v4(17.86,2.34) 16.33,0.81 11.25,0.81 10.74,1.32 10.74,3.1 9.86,3.99 6.93,3.99 1.6,9.32 1.6,19.36 0.71,20.24 0.71,22.66 0.97,22.91 2.62,22.91 3,23.29 3,23.8 0.97,25.83 0.97,42.09 3.76,44.88 11.25,44.88 12.27,45.9 14.55,45.9 17.22,48.56 23.7,48.56 27.51,52.38 33.22,52.38 34.11,53.26 34.11,54.53 34.62,55.04 46.11,55.04 47.98,53.18 52.48,53.18 52.91,52.76 53.67,52.76 v4(54.31,52.12) ; v4(49.23,43.08) 45.28,43.08 44.15,41.94 44.15,35.99
  In3.Cu w0.127: v4(54.31,52.12) 54.05,51.87 54.05,50.98 52.02,48.95 52.02,46.3 51.24,45.52 50.62,45.52 49.23,44.13 v4(49.23,43.08)
  Bottom w0.127: v4(54.31,52.12) 55.32,53.14 57.1,53.14 ; R66.2 48.59,45.58 49.23,44.94 v4(49.23,43.08)
  Bottom w0.508: U12.2 57.1,53.14
